# Allegro board PCIE_FIBER_BOARD-1116.brd (continued)
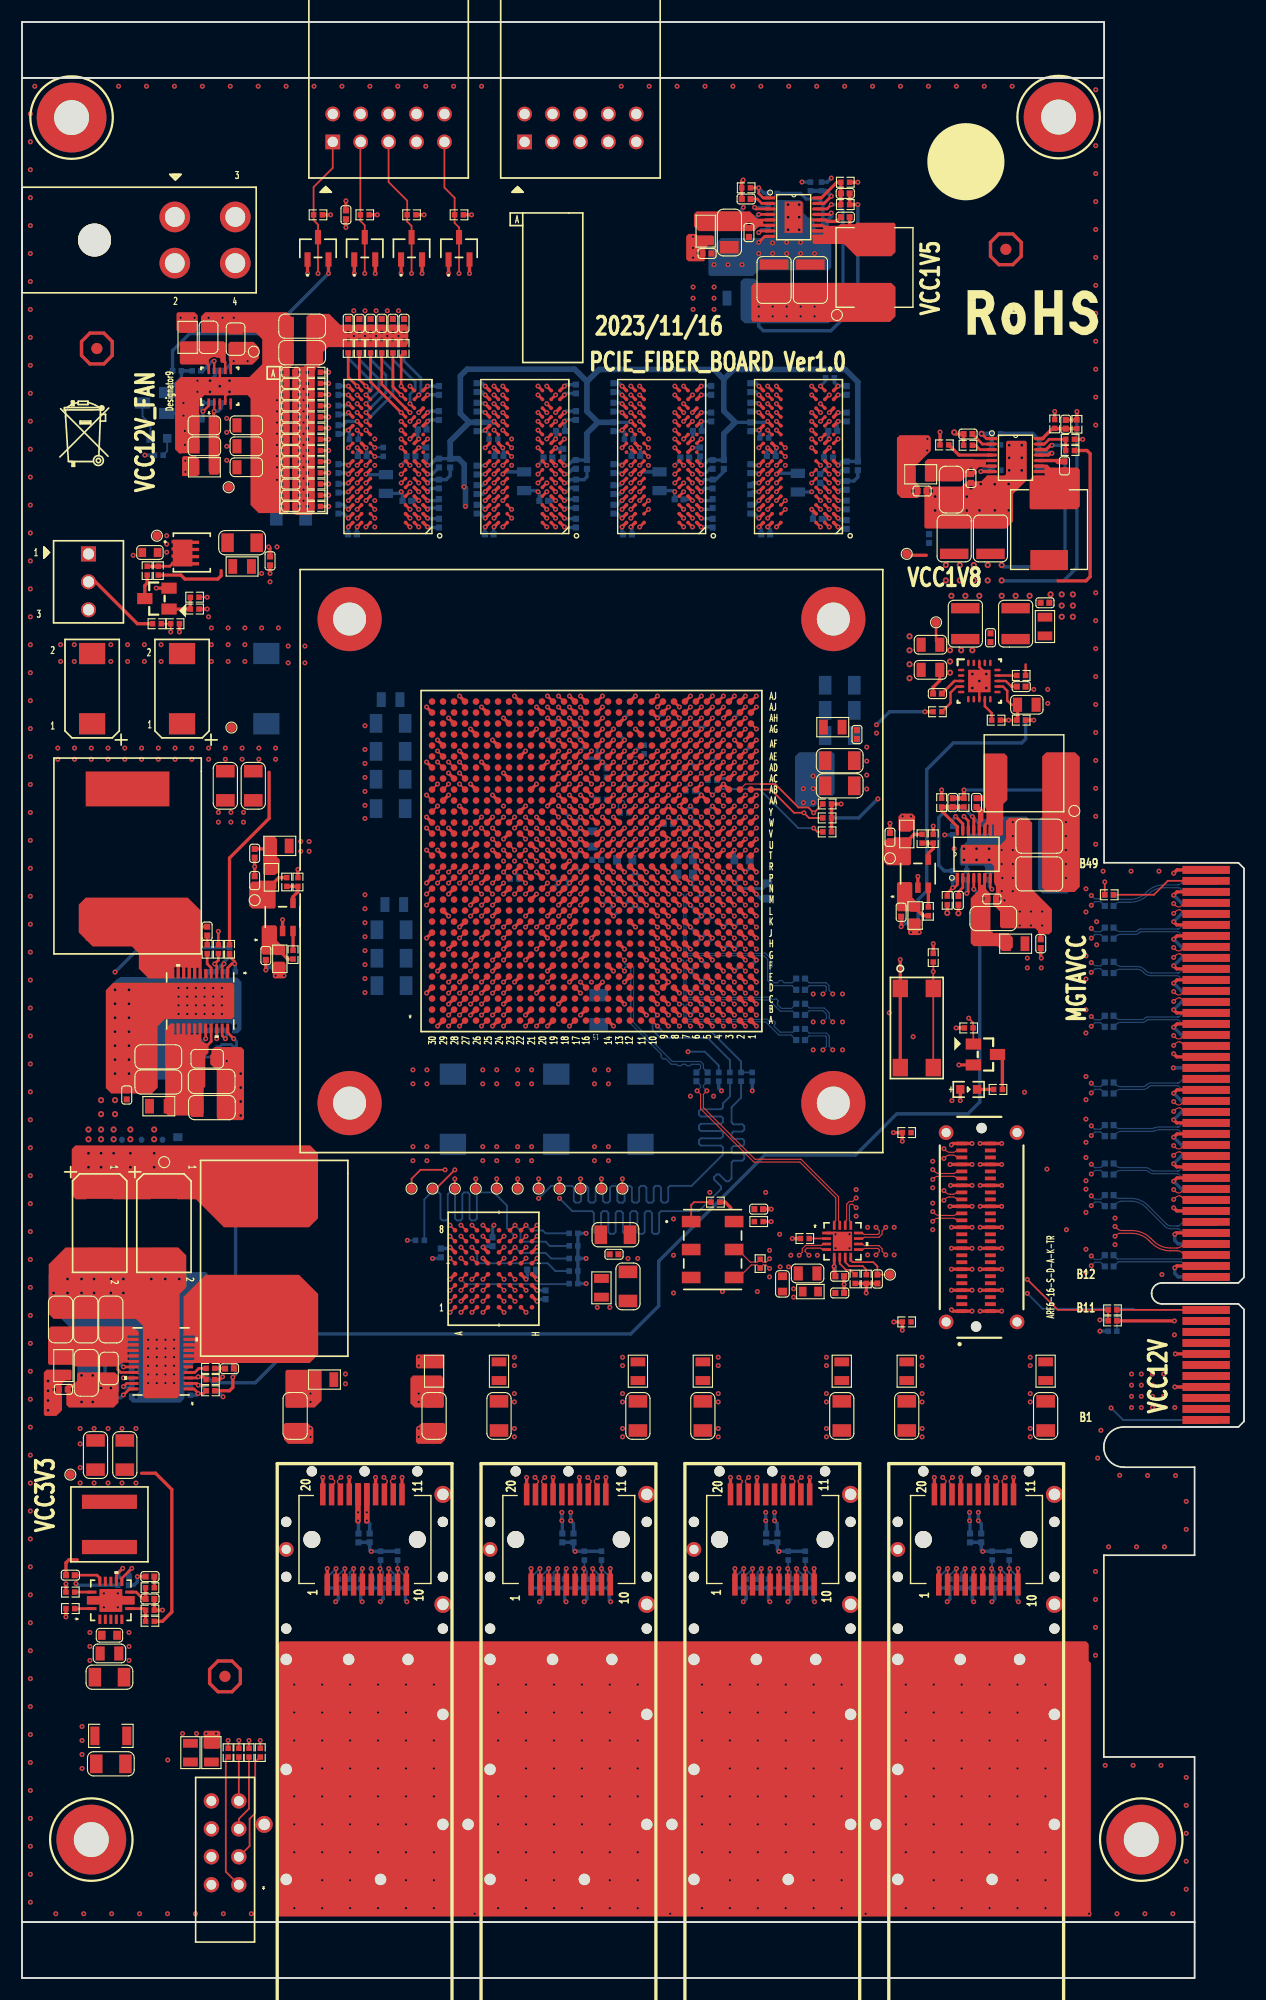
[diagram p0: board, top side]
## Routing (per net, layer and track width the routed paths; a pad name or vN(x,y) marks a point on that pad's centre or on a via; arc(x,y) is an arc through that point) (continued)
PCIE_CLK_100M_P: length 35.4
  TOP w0.104: U251.9 76.5,66.22 76.61,66.32 77.85,66.32 77.98,66.19 77.98,66.03 v1(77.68,65.73)
  ART08 w0.099: v1(77.68,65.73) 78,66.05 78,66.29 78.51,66.81 79.96,66.81 80.77,67.62 80.77,69.64 80.67,69.73 80.55,69.73 80.45,69.83 80.45,70.03 80.55,70.13 80.67,70.13 80.77,70.23 80.77,70.43 80.67,70.53 80.55,70.53 80.45,70.63 80.45,70.82 80.55,70.92 80.67,70.92 80.77,71.02 80.77,81.37 73.21,88.92 73.21,89.09 v1(72.85,89.45)
  BOTTOM w0.104: v1(72.85,89.45) 73.15,89.75 73.15,90.1 73.05,90.21 71.6,90.21 C992.1
PCIE_PRSNT_N: length 66.7
  TOP w0.165: R1201.2 v1(98.49,99.63)
  ART08 w0.117: v1(99.06,51.82) 99.06,54.74 101.73,57.4 101.73,62.74 105.41,66.42 105.41,98.93 104.71,99.63 v1(98.49,99.63)
  BOTTOM w0.165: U249.A1 100.15,50.73 v1(99.06,51.82)
PCIE_REFCLK_N: length 65.8
  TOP w0.104: U247.U7 v1(60.8,103.53)
  ART08 w0.099: v1(60.8,103.53) 60.5,103.53 60.4,103.43 60.4,101.43 61.4,100.43 61.4,95.97 62.24,95.13 67.36,95.13 67.38,95.16 69.96,95.16 84.22,80.89 88.71,80.89 91.73,77.87 91.73,67.35 93.77,65.32 94.16,65.32 94.33,65.48 94.56,65.48 94.73,65.32 94.96,65.32 95.12,65.48 95.35,65.48 95.52,65.32 95.75,65.32 95.92,65.48 96.15,65.48 96.31,65.32 96.94,65.32 v1(97.26,65.63)
  BOTTOM w0.104: C2465.1 98.11,65.32 97.58,65.32 v1(97.26,65.63)
PCIE_REFCLK_P: length 65.7
  TOP w0.104: v1(59.8,103.53) U247.U8
  ART08 w0.099: v1(59.8,103.53) 60.1,103.53 60.2,103.43 60.2,101.34 61.2,100.34 61.2,95.89 62.16,94.93 67.38,94.93 67.41,94.9 69.85,94.9 84.12,80.64 88.61,80.64 91.48,77.77 91.48,67.24 93.66,65.06 96.94,65.06 v1(97.26,64.74)
  BOTTOM w0.104: v1(97.26,64.74) 97.58,65.06 98.11,65.06 C2464.1
PCIE_RST_N: length 10.2
  BOTTOM w0.165: U249.A11 101.19,60.73 101.09,60.83 R1215.2 R1237.1 R1236.2
PCIE_RXD_0_N: length 64.7
  TOP w0.104: U247.M5 v1(62.8,97.53) ; v1(99.42,68.31) 99.61,68.12 arc(99.81,67.99) 100.04,67.95 100.93,67.95 arc(101.88,67.76) 102.69,67.22 102.91,67 arc(103.62,66.52) 104.45,66.36 105.05,66.36 arc(105.29,66.4) 105.49,66.54 105.5,66.55 arc(105.7,66.68) 105.93,66.73 U249.B15
  ART08 w0.099: v1(62.8,97.53) 62.5,97.53 arc(62.43,97.5) 62.4,97.43 62.4,97.23 arc(62.43,97.16) 62.5,97.13 68.24,97.13 arc(68.27,97.15) 68.31,97.16 70.17,97.16 arc(71.29,96.93) 72.24,96.3 78.63,89.91 arc(80.46,88.69) 82.61,88.27 85.66,88.27 arc(86.29,88.14) 86.82,87.79 92.62,81.98 arc(94.43,79.28) 95.06,76.08 95.06,70.43 arc(95.23,69.58) 95.72,68.85 95.92,68.65 arc(96.64,68.16) 97.5,68 97.8,68 arc(97.87,68.03) 97.9,68.1 arc(97.94,68.18) 98.01,68.21 98.19,68.21 arc(98.27,68.18) 98.3,68.1 arc(98.33,68.03) 98.41,68 98.89,68 arc(99.09,68.04) 99.25,68.15 v1(99.42,68.31)
PCIE_RXD_0_P: length 64.8
  TOP w0.104: U249.B14 105.98,65.73 arc(105.75,65.78) 105.55,65.91 105.53,65.92 arc(105.33,66.06) 105.1,66.1 104.45,66.1 arc(103.52,66.29) 102.73,66.82 102.51,67.04 102.51,67.04 arc(101.78,67.52) 100.93,67.69 99.86,67.69 arc(99.7,67.66) 99.56,67.56 v1(99.42,67.42) ; U247.M6 v1(61.8,97.53)
  ART08 w0.099: v1(61.8,97.53) 62.1,97.53 arc(62.17,97.5) 62.2,97.43 62.2,97.23 arc(62.29,97.02) 62.5,96.93 68.24,96.93 arc(68.27,96.91) 68.31,96.9 70.17,96.9 arc(71.2,96.7) 72.06,96.12 78.45,89.73 arc(80.36,88.46) 82.61,88.01 85.66,88.01 arc(86.19,87.91) 86.64,87.61 92.44,81.8 arc(94.19,79.18) 94.81,76.08 94.81,70.43 arc(95,69.48) 95.54,68.67 95.74,68.47 arc(96.55,67.93) 97.5,67.74 98.89,67.74 arc(99.09,67.7) 99.25,67.59 v1(99.42,67.42)
PCIE_RXD_1_N: length 60.5
  TOP w0.104: U249.B20 105.98,71.73 arc(105.75,71.68) 105.55,71.55 105.46,71.46 arc(105.21,71.36) 104.95,71.46 v1(104.75,71.66) ; U247.P5 v1(62.8,99.53)
  ART08 w0.099: v1(62.8,99.53) 62.5,99.53 arc(62.43,99.5) 62.4,99.43 62.4,98.5 arc(62.51,98.24) 62.77,98.13 67.52,98.13 arc(67.55,98.15) 67.58,98.16 70.31,98.16 arc(71.62,97.9) 72.72,97.16 74.57,95.31 78.6,91.28 arc(80.65,89.91) 83.07,89.43 85.49,89.43 arc(86.43,89.24) 87.24,88.7 99.72,76.22 arc(100.26,75.42) 100.44,74.47 100.44,72.86 arc(100.89,71.79) 101.96,71.34 102.6,71.34 arc(102.65,71.36) 102.67,71.41 102.67,71.41 arc(102.68,71.45) 102.73,71.47 103,71.47 arc(103.04,71.45) 103.06,71.41 103.06,71.41 arc(103.08,71.36) 103.13,71.34 103.39,71.34 arc(103.44,71.36) 103.46,71.41 103.46,71.41 arc(103.48,71.45) 103.52,71.47 103.79,71.47 arc(103.84,71.45) 103.85,71.41 103.85,71.41 arc(103.87,71.36) 103.92,71.34 104.22,71.34 arc(104.42,71.38) 104.59,71.5 v1(104.75,71.66)
PCIE_RXD_1_P: length 60.5
  TOP w0.104: v1(104.75,70.77) 104.94,70.96 arc(105.1,71.07) 105.29,71.1 arc(105.36,71.09) 105.42,71.05 105.56,70.91 arc(105.76,70.78) 105.99,70.73 U249.B19 ; U247.P6 v1(61.8,99.53)
  ART08 w0.099: v1(61.8,99.53) 62.1,99.53 arc(62.17,99.5) 62.2,99.43 62.2,98.5 arc(62.36,98.1) 62.77,97.93 67.52,97.93 arc(67.55,97.91) 67.58,97.9 70.31,97.9 arc(71.52,97.66) 72.54,96.98 74.47,95.05 78.42,91.1 arc(80.56,89.67) 83.07,89.17 85.48,89.17 arc(86.34,89) 87.06,88.52 99.54,76.04 arc(100.02,75.32) 100.19,74.47 100.19,72.86 arc(100.71,71.61) 101.96,71.09 104.22,71.09 arc(104.42,71.05) 104.59,70.94 v1(104.75,70.77)
PCIE_RXD_2_N: length 56.2
  TOP w0.104: U247.R3 v1(64.8,100.53) ; U249.B24 105.98,75.73 arc(105.75,75.68) 105.55,75.55 105.46,75.46 arc(105.21,75.36) 104.95,75.46 v1(104.75,75.66)
  ART08 w0.099: v1(64.8,100.53) 64.5,100.53 arc(64.43,100.5) 64.4,100.43 64.4,100.32 arc(64.45,100.19) 64.59,100.13 67.35,100.13 arc(67.38,100.15) 67.42,100.16 69.15,100.16 arc(71.09,99.77) 72.74,98.67 79.55,91.86 arc(81.2,90.76) 83.15,90.37 86.79,90.37 arc(87.74,90.18) 88.55,89.65 94.67,83.52 arc(95.27,83.12) 95.98,82.98 96.08,82.98 arc(96.88,82.82) 97.57,82.37 101.2,78.73 101.2,78.73 101.73,78.2 arc(101.89,77.96) 101.95,77.67 101.95,77.37 arc(101.96,77.33) 102.01,77.31 arc(102.05,77.3) 102.06,77.26 102.06,76.98 arc(102.05,76.93) 102.01,76.92 arc(101.96,76.9) 101.95,76.86 101.95,75.97 arc(102.13,75.53) 102.57,75.34 102.88,75.34 arc(102.93,75.37) 102.96,75.43 arc(102.98,75.49) 103.04,75.51 103.27,75.51 arc(103.33,75.49) 103.36,75.43 arc(103.38,75.37) 103.44,75.34 104.22,75.34 arc(104.42,75.38) 104.59,75.5 v1(104.75,75.66)
PCIE_RXD_2_P: length 56.2
  TOP w0.104: v1(104.75,74.77) 104.94,74.96 arc(105.1,75.07) 105.29,75.1 arc(105.36,75.09) 105.42,75.05 105.56,74.91 arc(105.76,74.78) 105.99,74.73 U249.B23 ; U247.R4 v1(63.8,100.53)
  ART08 w0.099: v1(63.8,100.53) 64.1,100.53 arc(64.17,100.5) 64.2,100.43 64.2,100.32 arc(64.31,100.04) 64.59,99.93 67.35,99.93 arc(67.38,99.91) 67.42,99.9 69.15,99.9 arc(71,99.54) 72.56,98.49 79.37,91.68 arc(81.1,90.53) 83.15,90.12 86.79,90.12 arc(87.64,89.95) 88.37,89.47 94.49,83.34 arc(95.17,82.89) 95.98,82.73 96.08,82.73 arc(96.79,82.59) 97.39,82.19 101.01,78.56 101.01,78.56 101.55,78.02 arc(101.66,77.86) 101.69,77.67 101.69,75.97 arc(101.95,75.35) 102.57,75.09 104.22,75.09 arc(104.42,75.05) 104.59,74.94 v1(104.75,74.77)
PCIE_RXD_3_N: length 55.7
  TOP w0.104: U247.T5 v1(62.8,101.53) ; v1(104.75,79.66) 104.95,79.46 arc(105.21,79.36) 105.46,79.46 105.55,79.55 arc(105.75,79.68) 105.98,79.73 U249.B28
  ART08 w0.099: v1(104.75,79.66) 104.59,79.5 arc(104.42,79.38) 104.22,79.34 103.42,79.34 arc(102.57,79.51) 101.85,80 100.97,80.87 arc(100.95,80.92) 100.97,80.98 arc(100.99,81.03) 100.97,81.09 100.8,81.26 arc(100.75,81.28) 100.69,81.26 arc(100.64,81.24) 100.58,81.26 100.41,81.43 arc(100.39,81.49) 100.41,81.54 arc(100.43,81.6) 100.41,81.65 100.24,81.82 arc(100.19,81.84) 100.13,81.82 100.13,81.82 arc(100.08,81.8) 100.02,81.82 98.35,83.49 arc(97.55,84.03) 96.6,84.22 96.42,84.22 arc(95.57,84.39) 94.85,84.87 88.49,91.23 arc(86.68,92.43) 84.55,92.86 83.04,92.86 arc(81.64,93.13) 80.46,93.92 74.02,100.36 arc(73.14,100.95) 72.1,101.16 68.31,101.16 arc(68.27,101.15) 68.24,101.13 62.5,101.13 arc(62.43,101.16) 62.4,101.23 62.4,101.43 arc(62.43,101.5) 62.5,101.53 v1(62.8,101.53)
PCIE_RXD_3_P: length 55.6
  TOP w0.104: v1(104.75,78.77) 104.94,78.96 arc(105.1,79.07) 105.29,79.1 arc(105.36,79.09) 105.42,79.05 105.56,78.91 arc(105.76,78.78) 105.99,78.73 U249.B27 ; U247.T6 v1(61.8,101.53)
  ART08 w0.099: v1(61.8,101.53) 62.1,101.53 arc(62.17,101.5) 62.2,101.43 62.2,101.23 arc(62.29,101.02) 62.5,100.93 68.24,100.93 arc(68.27,100.91) 68.31,100.9 72.1,100.9 arc(73.05,100.72) 73.84,100.18 80.28,93.74 arc(81.55,92.9) 83.04,92.6 84.55,92.6 arc(86.59,92.2) 88.31,91.05 94.67,84.69 arc(95.47,84.15) 96.42,83.96 96.6,83.96 arc(97.45,83.79) 98.17,83.31 101.67,79.82 arc(102.47,79.28) 103.42,79.09 104.22,79.09 arc(104.42,79.05) 104.59,78.94 v1(104.75,78.77)
PCIE_RXD_4_N: length 53.9
  TOP w0.104: v1(104.75,85.66) 104.95,85.46 arc(105.21,85.36) 105.46,85.46 105.55,85.55 arc(105.75,85.68) 105.98,85.73 U249.B34 ; U247.V5 v1(62.8,103.53)
  ART08 w0.099: v1(104.75,85.66) 104.59,85.5 arc(104.42,85.38) 104.22,85.34 103.36,85.34 arc(103.32,85.36) 103.3,85.41 arc(103.28,85.46) 103.23,85.48 102.97,85.48 arc(102.92,85.46) 102.9,85.41 arc(102.88,85.36) 102.84,85.34 102.57,85.34 arc(102.52,85.36) 102.51,85.41 arc(102.49,85.46) 102.44,85.48 102.17,85.48 arc(102.13,85.46) 102.11,85.41 arc(102.09,85.36) 102.04,85.34 97.33,85.34 arc(96.47,85.51) 95.75,86 87.99,93.76 arc(87.18,94.3) 86.24,94.49 85.61,94.49 arc(83.96,94.82) 82.56,95.75 78.67,99.64 arc(75.93,101.47) 72.71,102.11 70.02,102.11 arc(69.49,102.21) 69.04,102.52 68.74,102.82 arc(68.36,103.07) 67.92,103.16 67.41,103.16 67.38,103.13 62.5,103.13 arc(62.43,103.16) 62.4,103.23 62.4,103.43 arc(62.43,103.5) 62.5,103.53 v1(62.8,103.53)
PCIE_RXD_4_P: length 53.9
  TOP w0.104: v1(104.75,84.77) 104.94,84.96 arc(105.1,85.07) 105.29,85.1 arc(105.36,85.09) 105.42,85.05 105.56,84.91 arc(105.76,84.78) 105.99,84.73 U249.B33 ; U247.V6 v1(61.8,103.53)
  ART08 w0.099: v1(104.75,84.77) 104.59,84.94 arc(104.42,85.05) 104.22,85.09 97.33,85.09 arc(96.38,85.28) 95.57,85.82 87.81,93.58 arc(87.09,94.06) 86.24,94.23 85.61,94.23 arc(83.86,94.58) 82.38,95.57 78.49,99.46 arc(75.84,101.23) 72.71,101.85 70.02,101.85 arc(69.39,101.98) 68.86,102.34 68.56,102.64 arc(68.26,102.83) 67.92,102.9 67.41,102.9 67.38,102.93 62.5,102.93 arc(62.29,103.02) 62.2,103.23 62.2,103.43 arc(62.17,103.5) 62.1,103.53 v1(61.8,103.53)
PCIE_RXD_5_N: length 51.4
  TOP w0.104: v1(104.75,89.66) 104.95,89.46 arc(105.21,89.36) 105.46,89.46 105.55,89.55 arc(105.75,89.68) 105.98,89.73 U249.B38 ; U247.W3 v1(64.8,105.53)
  ART08 w0.099: v1(104.75,89.66) 104.59,89.5 arc(104.42,89.38) 104.22,89.34 103.33,89.34 arc(103.28,89.37) 103.25,89.42 arc(103.23,89.48) 103.17,89.5 102.94,89.5 arc(102.88,89.48) 102.86,89.42 arc(102.83,89.37) 102.78,89.34 102.54,89.34 arc(102.48,89.37) 102.46,89.42 arc(102.44,89.48) 102.38,89.5 102.14,89.5 arc(102.09,89.48) 102.06,89.42 arc(102.04,89.37) 101.98,89.34 99.08,89.34 arc(97.35,89.69) 95.89,90.66 arc(95.73,90.9) 95.66,91.19 arc(95.57,91.64) 95.31,92.02 93.5,93.83 arc(93.1,94.09) 92.64,94.19 89.9,94.19 arc(89.24,94.32) 88.67,94.69 88.59,94.78 arc(87.78,95.32) 86.84,95.5 85.99,95.5 arc(84.25,95.85) 82.77,96.84 78.45,101.16 arc(76.41,102.52) 74.01,103 70.88,103 arc(70.03,103.17) 69.3,103.65 67.92,105.04 arc(67.78,105.13) 67.62,105.16 67.43,105.16 67.4,105.13 64.5,105.13 arc(64.43,105.16) 64.4,105.23 64.4,105.43 arc(64.43,105.5) 64.5,105.53 v1(64.8,105.53)
PCIE_RXD_5_P: length 51.3
  TOP w0.104: U247.W4 v1(63.8,105.53) ; U249.B37 105.99,88.73 arc(105.76,88.78) 105.56,88.91 105.42,89.05 arc(105.36,89.09) 105.29,89.1 arc(105.1,89.07) 104.94,88.96 v1(104.75,88.77)
  ART08 w0.099: v1(104.75,88.77) 104.59,88.94 arc(104.42,89.05) 104.22,89.09 99.08,89.09 arc(97.25,89.45) 95.71,90.48 arc(95.49,90.8) 95.41,91.18 arc(95.33,91.54) 95.13,91.84 93.32,93.65 arc(93.01,93.86) 92.64,93.93 89.9,93.93 arc(89.14,94.08) 88.49,94.51 88.41,94.6 arc(87.69,95.08) 86.84,95.25 85.99,95.25 arc(84.15,95.62) 82.59,96.66 78.27,100.98 arc(76.31,102.28) 74.01,102.74 70.88,102.74 arc(69.93,102.93) 69.12,103.47 67.74,104.86 arc(67.69,104.89) 67.62,104.9 67.43,104.9 67.4,104.93 64.5,104.93 arc(64.29,105.02) 64.2,105.23 64.2,105.43 arc(64.17,105.5) 64.1,105.53 v1(63.8,105.53)
PCIE_RXD_6_N: length 52.5
  TOP w0.104: v1(104.75,93.66) 104.95,93.46 arc(105.21,93.36) 105.46,93.46 105.55,93.55 arc(105.75,93.68) 105.98,93.73 U249.B42 ; U247.Y5 v1(62.8,105.53)
  ART08 w0.099: v1(62.8,105.53) 62.5,105.53 arc(62.43,105.5) 62.4,105.43 62.4,105.21 arc(62.42,105.15) 62.48,105.13 63.09,105.13 arc(63.17,105.16) 63.2,105.24 63.2,105.79 arc(63.3,106.03) 63.54,106.13 67.38,106.13 67.41,106.16 67.88,106.16 arc(68.29,106.08) 68.63,105.84 69.81,104.66 arc(70.53,104.18) 71.38,104.01 73.74,104.01 arc(76.7,103.43) 79.2,101.75 82.13,98.82 arc(83.42,97.96) 84.94,97.66 85.96,97.66 arc(87.04,97.44) 87.95,96.83 89.01,95.77 arc(89.73,95.29) 90.58,95.12 94.69,95.12 arc(95.64,94.93) 96.44,94.4 96.84,94 arc(97.56,93.51) 98.41,93.34 101.91,93.34 arc(101.97,93.37) 101.99,93.43 arc(102.02,93.48) 102.08,93.51 102.31,93.51 arc(102.37,93.48) 102.39,93.43 arc(102.42,93.37) 102.47,93.34 102.71,93.34 arc(102.76,93.37) 102.79,93.43 arc(102.81,93.48) 102.87,93.51 103.1,93.51 arc(103.16,93.48) 103.18,93.43 arc(103.21,93.37) 103.26,93.34 104.22,93.34 arc(104.42,93.38) 104.59,93.5 v1(104.75,93.66)
PCIE_RXD_6_P: length 52.5
  TOP w0.104: v1(104.75,92.77) 104.94,92.96 arc(105.1,93.07) 105.29,93.1 arc(105.36,93.09) 105.42,93.05 105.56,92.91 arc(105.76,92.78) 105.99,92.73 U249.B41 ; U247.Y6 v1(61.8,105.53)
  ART08 w0.099: v1(104.75,92.77) 104.59,92.94 arc(104.42,93.05) 104.22,93.09 98.41,93.09 arc(97.47,93.28) 96.66,93.82 96.26,94.22 arc(95.54,94.7) 94.69,94.87 90.58,94.87 arc(89.63,95.06) 88.83,95.59 87.77,96.65 arc(86.94,97.21) 85.96,97.4 84.94,97.4 arc(84.94,97.4) 84.94,97.4 arc(83.32,97.73) 81.95,98.64 79.02,101.57 arc(76.6,103.19) 73.74,103.76 71.38,103.76 arc(70.44,103.95) 69.63,104.48 68.45,105.66 arc(68.19,105.84) 67.88,105.9 67.41,105.9 67.38,105.93 63.54,105.93 arc(63.44,105.89) 63.4,105.79 63.4,105.24 arc(63.31,105.02) 63.09,104.93 62.48,104.93 arc(62.28,105.01) 62.2,105.21 62.2,105.43 arc(62.17,105.5) 62.1,105.53 v1(61.8,105.53)
PCIE_RXD_7_N: length 49.1
  TOP w0.104: v1(104.75,97.66) 104.95,97.46 arc(105.21,97.36) 105.46,97.46 105.55,97.55 arc(105.75,97.68) 105.98,97.73 U249.B46 ; U247.AA3 v1(63.8,107.53)
  ART08 w0.099: v1(63.8,107.53) 63.8,107.23 arc(63.83,107.16) 63.9,107.13 67.26,107.13 67.28,107.16 68.07,107.16 arc(68.78,107.02) 69.39,106.61 70.28,105.72 arc(70.65,105.47) 71.09,105.38 73.99,105.38 arc(77.33,104.72) 80.15,102.84 82.29,100.69 arc(83.12,100.14) 84.09,99.95 88.07,99.95 arc(88.48,99.87) 88.83,99.63 arc(88.94,99.56) 89.08,99.53 90.32,99.53 arc(91.12,99.37) 91.8,98.92 93.36,97.36 arc(94.43,96.64) 95.69,96.39 96.46,96.39 arc(96.98,96.5) 97.42,96.79 97.51,96.87 arc(98.03,97.22) 98.65,97.34 104.22,97.34 arc(104.42,97.38) 104.59,97.5 v1(104.75,97.66)
PCIE_RXD_7_P: length 49.1
  TOP w0.104: U247.AA4 v1(63.8,106.53) ; v1(104.75,96.77) 104.94,96.96 arc(105.1,97.07) 105.29,97.1 arc(105.36,97.09) 105.42,97.05 105.56,96.91 arc(105.76,96.78) 105.99,96.73 U249.B45
  ART08 w0.099: v1(104.75,96.77) 104.59,96.94 arc(104.42,97.05) 104.22,97.09 98.65,97.09 arc(98.13,96.99) 97.69,96.69 97.6,96.61 arc(97.08,96.26) 96.46,96.14 95.69,96.14 arc(94.33,96.41) 93.18,97.18 91.62,98.74 arc(91.02,99.14) 90.32,99.28 89.08,99.28 arc(88.85,99.32) 88.65,99.45 arc(88.39,99.63) 88.07,99.69 84.09,99.69 arc(83.02,99.91) 82.11,100.51 79.97,102.66 arc(77.23,104.49) 73.99,105.13 71.09,105.13 arc(70.55,105.24) 70.1,105.54 69.21,106.43 arc(68.69,106.78) 68.07,106.9 67.28,106.9 67.26,106.93 63.9,106.93 arc(63.83,106.9) 63.8,106.83 v1(63.8,106.53)
PCIE_TXD_0_N: length 50.4
  TOP w0.104: U247.L3 v1(64.8,96.53)
  ART10 w0.099: v1(97.26,71.09) 97.09,70.93 arc(96.93,70.82) 96.73,70.78 96.05,70.78 arc(95.26,70.94) 94.58,71.39 94.29,71.68 arc(94.27,71.73) 94.29,71.79 arc(94.32,71.84) 94.29,71.9 94.12,72.07 arc(94.07,72.09) 94.01,72.07 94.01,72.07 arc(93.96,72.04) 93.9,72.07 93.73,72.24 arc(93.71,72.29) 93.73,72.35 arc(93.75,72.4) 93.73,72.46 93.56,72.63 arc(93.51,72.65) 93.45,72.63 93.45,72.63 arc(93.4,72.6) 93.34,72.63 93.11,72.86 arc(92.63,73.58) 92.46,74.43 92.46,75.91 arc(92.27,76.86) 91.73,77.67 91.38,78.01 arc(90.58,78.55) 89.63,78.74 85.81,78.74 arc(85.06,78.89) 84.43,79.31 82.96,80.78 arc(82.37,81.66) 82.17,82.69 82.17,84.93 arc(81.98,85.88) 81.44,86.68 73.84,94.28 arc(71.77,95.67) 69.32,96.16 67.65,96.16 67.63,96.13 64.5,96.13 arc(64.43,96.16) 64.4,96.23 64.4,96.43 arc(64.43,96.5) 64.5,96.53 v1(64.8,96.53)
  BOTTOM w0.104: C2467.1 98.15,70.82 arc(98.12,70.8) 98.08,70.79 97.6,70.79 arc(97.56,70.8) 97.53,70.82 v1(97.26,71.09)
PCIE_TXD_0_P: length 50.3
  TOP w0.104: U247.L4 v1(63.8,96.53)
  ART10 w0.099: v1(97.26,70.21) 97.09,70.37 arc(96.93,70.48) 96.73,70.52 96.05,70.52 arc(95.16,70.7) 94.4,71.21 92.93,72.68 arc(92.39,73.48) 92.2,74.43 92.2,75.91 arc(92.03,76.77) 91.55,77.49 91.2,77.83 arc(90.48,78.32) 89.63,78.49 85.81,78.49 arc(84.97,78.65) 84.25,79.13 82.78,80.6 arc(82.14,81.56) 81.91,82.69 81.92,82.69 81.92,84.93 arc(81.75,85.78) 81.26,86.5 73.66,94.1 arc(71.67,95.43) 69.32,95.9 67.65,95.9 67.63,95.93 64.5,95.93 arc(64.29,96.02) 64.2,96.23 64.2,96.43 arc(64.17,96.5) 64.1,96.53 v1(63.8,96.53)
  BOTTOM w0.104: v1(97.26,70.21) 97.56,70.51 arc(97.6,70.53) 97.64,70.54 98.06,70.54 arc(98.1,70.53) 98.14,70.51 C2466.1
PCIE_TXD_1_N: length 46.2
  TOP w0.104: U247.M1 v1(66.8,97.53)
  ART10 w0.099: v1(97.26,73.97) 97.09,73.8 arc(96.93,73.69) 96.73,73.65 95.82,73.65 arc(95.77,73.67) 95.75,73.72 95.75,73.72 arc(95.73,73.77) 95.68,73.79 95.42,73.79 arc(95.37,73.77) 95.35,73.72 95.35,73.72 arc(95.33,73.67) 95.29,73.65 94.98,73.65 arc(94.18,73.98) 93.85,74.78 93.85,75.08 arc(93.87,75.13) 93.92,75.15 arc(93.96,75.17) 93.98,75.21 93.98,75.48 arc(93.96,75.53) 93.92,75.54 arc(93.87,75.56) 93.85,75.61 93.85,75.94 arc(93.66,76.88) 93.13,77.69 90.64,80.17 arc(89.84,80.71) 88.89,80.9 87.68,80.9 arc(86.59,81.12) 85.67,81.73 83.81,83.59 arc(83.35,84.28) 83.19,85.11 83.19,85.59 arc(83,86.54) 82.46,87.34 73.37,96.43 arc(72.56,96.97) 71.62,97.16 67.54,97.16 67.51,97.13 66.5,97.13 arc(66.43,97.16) 66.4,97.23 66.4,97.43 arc(66.43,97.5) 66.5,97.53 v1(66.8,97.53)
  BOTTOM w0.104: C2469.1 98.15,73.7 arc(98.12,73.68) 98.08,73.67 97.6,73.67 arc(97.56,73.68) 97.53,73.7 v1(97.26,73.97)
PCIE_TXD_1_P: length 46.2
  TOP w0.104: U247.M2 v1(65.8,97.53)
  ART10 w0.099: v1(97.26,73.08) 97.09,73.25 arc(96.93,73.36) 96.73,73.4 94.98,73.4 arc(94,73.8) 93.6,74.78 93.6,75.94 arc(93.43,76.79) 92.95,77.51 90.46,79.99 arc(89.74,80.48) 88.89,80.64 87.68,80.64 arc(86.49,80.88) 85.49,81.55 83.64,83.41 arc(83.11,84.19) 82.93,85.11 82.93,85.59 arc(82.76,86.44) 82.28,87.16 73.19,96.25 arc(72.47,96.73) 71.62,96.9 67.54,96.9 67.51,96.93 66.5,96.93 arc(66.29,97.02) 66.2,97.23 66.2,97.43 arc(66.17,97.5) 66.1,97.53 v1(65.8,97.53)
  BOTTOM w0.104: v1(97.26,73.08) 97.56,73.38 arc(97.6,73.41) 97.64,73.41 98.06,73.41 arc(98.1,73.41) 98.14,73.38 C2468.1
PCIE_TXD_2_N: length 45.6
  TOP w0.104: U247.N3 v1(64.8,98.53)
  ART10 w0.099: v1(64.8,98.53) 64.5,98.53 arc(64.43,98.5) 64.4,98.43 64.4,98.23 arc(64.43,98.16) 64.5,98.13 67.55,98.13 67.58,98.16 72.14,98.16 arc(73.09,97.97) 73.89,97.43 83.53,87.79 arc(84.03,87.05) 84.2,86.18 84.2,86.06 arc(84.36,85.28) 84.8,84.62 86.85,82.57 arc(87.57,82.08) 88.42,81.91 91.01,81.91 arc(91.95,81.73) 92.76,81.19 94.44,79.5 arc(94.49,79.48) 94.54,79.5 arc(94.6,79.53) 94.65,79.5 94.83,79.33 arc(94.85,79.28) 94.83,79.22 arc(94.8,79.17) 94.83,79.12 95,78.94 arc(95.05,78.92) 95.11,78.94 arc(95.16,78.97) 95.21,78.94 95.39,78.77 arc(95.41,78.71) 95.39,78.66 arc(95.36,78.61) 95.39,78.56 96.76,77.19 arc(96.81,77.15) 96.86,77.14 96.88,77.14 arc(96.94,77.16) 96.99,77.19 v1(97.26,77.46)
  BOTTOM w0.104: C2471.1 98.15,77.19 arc(98.12,77.17) 98.08,77.16 97.6,77.16 arc(97.56,77.17) 97.53,77.19 v1(97.26,77.46)
PCIE_TXD_2_P: length 45.6
  TOP w0.104: U247.N4 v1(63.8,98.53)
  ART10 w0.099: v1(97.26,76.57) 96.99,76.84 arc(96.94,76.88) 96.87,76.89 96.86,76.89 arc(96.71,76.92) 96.58,77.01 92.58,81.01 arc(91.86,81.49) 91.01,81.66 88.42,81.66 arc(87.48,81.85) 86.67,82.39 84.62,84.44 arc(84.12,85.18) 83.95,86.06 83.95,86.18 arc(83.79,86.95) 83.35,87.61 73.71,97.25 arc(72.99,97.73) 72.14,97.9 67.58,97.9 67.55,97.93 64.5,97.93 arc(64.29,98.02) 64.2,98.23 64.2,98.43 arc(64.17,98.5) 64.1,98.53 v1(63.8,98.53)
  BOTTOM w0.104: C2470.1 98.14,76.88 arc(98.1,76.9) 98.06,76.91 97.64,76.91 arc(97.6,76.9) 97.56,76.88 v1(97.26,76.57)
PCIE_TXD_3_N: length 41.4
  TOP w0.104: U247.P1 v1(66.8,99.53)
  ART10 w0.099: v1(97.26,81.34) 97.09,81.17 arc(96.93,81.06) 96.73,81.02 95.39,81.02 arc(94.97,81.1) 94.61,81.34 94.4,81.56 arc(94.38,81.61) 94.4,81.66 arc(94.42,81.71) 94.4,81.76 94.22,81.94 arc(94.17,81.96) 94.12,81.94 94.12,81.94 arc(94.07,81.92) 94.02,81.94 93.84,82.12 arc(93.82,82.17) 93.84,82.22 arc(93.86,82.27) 93.84,82.32 93.66,82.5 arc(93.61,82.52) 93.56,82.5 arc(93.51,82.48) 93.46,82.5 83.26,92.7 arc(82.47,93.23) 81.53,93.41 arc(80.39,93.64) 79.43,94.28 75.28,98.43 arc(74.48,98.97) 73.53,99.16 67.54,99.16 67.51,99.13 66.5,99.13 arc(66.43,99.16) 66.4,99.23 66.4,99.43 arc(66.43,99.5) 66.5,99.53 v1(66.8,99.53)
  BOTTOM w0.104: C2473.1 98.15,81.07 arc(98.12,81.04) 98.08,81.03 97.6,81.03 arc(97.56,81.04) 97.53,81.07 v1(97.26,81.34)
PCIE_TXD_3_P: length 41.4
  TOP w0.104: U247.P2 v1(65.8,99.53)
  ART10 w0.099: v1(65.8,99.53) 66.1,99.53 arc(66.17,99.5) 66.2,99.43 66.2,99.23 arc(66.29,99.02) 66.5,98.93 67.51,98.93 67.54,98.9 73.53,98.9 arc(74.38,98.73) 75.1,98.25 79.25,94.1 arc(80.3,93.4) 81.53,93.16 arc(82.37,92.99) 83.08,92.52 94.43,81.16 arc(94.87,80.87) 95.39,80.76 96.73,80.76 arc(96.93,80.72) 97.09,80.61 v1(97.26,80.45)
  BOTTOM w0.104: v1(97.26,80.45) 97.56,80.75 arc(97.6,80.77) 97.64,80.78 98.06,80.78 arc(98.1,80.77) 98.14,80.75 C2472.1
PCIE_TXD_4_N: length 40
  TOP w0.104: U247.T1 v1(66.8,102.53)
  ART10 w0.099: v1(66.8,102.53) 66.52,102.53 arc(66.45,102.5) 66.43,102.43 66.43,102.21 arc(66.45,102.14) 66.52,102.11 67.88,102.11 arc(68.51,101.98) 69.04,101.63 69.21,101.46 arc(69.75,101.09) 70.4,100.97 74.87,100.97 arc(75.49,100.84) 76.02,100.49 78.32,98.19 arc(79.04,97.71) 79.89,97.54 81.12,97.54 arc(82.07,97.35) 82.87,96.81 91.95,87.73 arc(92.67,87.25) 93.52,87.08 94.7,87.08 arc(94.77,87.11) 94.79,87.18 arc(94.82,87.25) 94.89,87.28 95.09,87.28 arc(95.16,87.25) 95.19,87.18 arc(95.22,87.11) 95.29,87.08 95.49,87.08 arc(95.56,87.11) 95.59,87.18 arc(95.62,87.25) 95.69,87.28 95.89,87.28 arc(95.95,87.25) 95.98,87.18 arc(96.01,87.11) 96.08,87.08 96.73,87.08 arc(96.93,87.12) 97.09,87.24 v1(97.26,87.4)
  BOTTOM w0.104: C2475.1 98.15,87.13 arc(98.12,87.11) 98.08,87.1 97.6,87.1 arc(97.56,87.11) 97.53,87.13 v1(97.26,87.4)
PCIE_TXD_4_P: length 40
  TOP w0.104: U247.T2 v1(65.8,102.53)
  ART10 w0.099: v1(65.8,102.53) 66.07,102.53 arc(66.14,102.5) 66.17,102.43 66.17,102.21 arc(66.27,101.96) 66.52,101.85 67.88,101.85 arc(68.41,101.75) 68.86,101.45 69.03,101.28 arc(69.66,100.86) 70.4,100.71 74.87,100.71 arc(75.39,100.61) 75.84,100.31 78.14,98.01 arc(78.95,97.47) 79.89,97.28 81.12,97.28 arc(81.97,97.11) 82.69,96.63 91.77,87.55 arc(92.57,87.02) 93.52,86.83 96.73,86.83 arc(96.93,86.79) 97.09,86.68 v1(97.26,86.51)
  BOTTOM w0.104: C2474.1 98.14,86.82 arc(98.1,86.84) 98.06,86.85 97.64,86.85 arc(97.6,86.84) 97.56,86.82 v1(97.26,86.51)
PCIE_TXD_5_N: length 40
  TOP w0.104: U247.U3 v1(64.8,103.53)
  ART10 w0.099: v1(97.26,92.3) 97.09,92.14 arc(96.93,92.03) 96.73,91.99 96.49,91.99 arc(96.25,92.03) 96.05,92.17 95.43,92.79 arc(95.41,92.84) 95.43,92.89 arc(95.44,92.94) 95.43,92.98 95.24,93.17 arc(95.19,93.19) 95.15,93.17 95.14,93.17 arc(95.1,93.15) 95.05,93.17 94.86,93.35 arc(94.85,93.4) 94.86,93.45 arc(94.88,93.5) 94.86,93.54 94.68,93.73 arc(94.63,93.75) 94.58,93.73 arc(94.54,93.71) 94.49,93.73 94.1,94.12 arc(93.28,94.66) 92.32,94.86 89.15,94.86 arc(88.29,95.03) 87.57,95.51 85.88,97.2 arc(84.38,98.2) 82.61,98.55 80.53,98.55 arc(79.68,98.72) 78.96,99.2 77.03,101.13 arc(76.23,101.67) 75.28,101.85 71.02,101.85 arc(70.27,102) 69.64,102.43 69.27,102.8 arc(68.87,103.06) 68.4,103.16 67.72,103.16 arc(67.68,103.15) 67.65,103.13 64.5,103.13 arc(64.43,103.16) 64.4,103.23 64.4,103.43 arc(64.43,103.5) 64.5,103.53 v1(64.8,103.53)
  BOTTOM w0.104: C2477.1 98.15,92.03 arc(98.12,92.01) 98.08,92 97.77,92 arc(97.58,92.04) 97.41,92.15 v1(97.26,92.3)
PCIE_TXD_5_P: length 40.1
  TOP w0.104: v1(63.8,103.53) U247.U4
  ART10 w0.099: v1(63.8,103.53) 64.1,103.53 arc(64.17,103.5) 64.2,103.43 64.2,103.23 arc(64.29,103.02) 64.5,102.93 67.65,102.93 arc(67.68,102.91) 67.72,102.9 68.4,102.9 arc(68.77,102.83) 69.09,102.62 69.46,102.25 arc(70.17,101.77) 71.02,101.6 75.28,101.6 arc(76.13,101.43) 76.85,100.95 78.78,99.02 arc(79.58,98.49) 80.53,98.3 82.61,98.3 arc(84.28,97.97) 85.7,97.02 87.39,95.33 arc(88.19,94.79) 89.15,94.6 92.32,94.6 arc(93.19,94.43) 93.92,93.94 95.87,91.99 arc(96.16,91.8) 96.49,91.73 96.73,91.73 arc(96.93,91.69) 97.09,91.58 v1(97.26,91.41)
  BOTTOM w0.104: v1(97.26,91.41) 97.56,91.72 arc(97.6,91.74) 97.64,91.75 98.06,91.75 arc(98.09,91.74) 98.11,91.73 C2476.1
PCIE_TXD_6_N: length 37.4
  TOP w0.104: U247.V1 v1(66.8,104.53)
  ART10 w0.099: v1(97.26,95.41) 97.09,95.25 arc(96.93,95.13) 96.73,95.09 96.23,95.09 arc(96,95.11) 95.77,95.16 arc(95.72,95.18) 95.68,95.21 95.3,95.59 arc(95.28,95.64) 95.3,95.69 arc(95.32,95.74) 95.3,95.79 95.12,95.98 arc(95.07,96) 95.02,95.98 arc(94.97,95.95) 94.92,95.98 94.74,96.16 arc(94.72,96.21) 94.74,96.26 arc(94.76,96.31) 94.74,96.36 94.56,96.54 arc(94.51,96.56) 94.46,96.54 arc(94.41,96.52) 94.36,96.54 91.87,99.02 arc(91.32,99.39) 90.67,99.52 89.26,99.52 arc(88.95,99.58) 88.68,99.76 88.68,99.76 arc(88.47,99.9) 88.22,99.95 84.15,99.95 arc(83.47,100.09) 82.89,100.47 81.35,102.02 arc(80.55,102.55) 79.6,102.74 71.61,102.74 arc(70.79,102.91) 70.08,103.38 70,103.46 arc(69.23,103.98) 68.32,104.16 67.58,104.16 arc(67.54,104.15) 67.51,104.13 66.5,104.13 arc(66.43,104.16) 66.4,104.23 66.4,104.43 arc(66.43,104.5) 66.5,104.53 v1(66.8,104.53)